# Altium PCB galileo_cleaned.PcbDoc (part 9 of 10)
Units mil, origin at the board's own origin, x right, y up, seen from the top; angles counter-clockwise.
Board outline 4205 x 2835.09 mil, 6 copper layers (TOP, PWR, LYR_1, LYR_2, GND, BOTTOM), stack 80.1 mil thick; 533 components, 432 nets, 2101 pads, 1155 vias.
Unrouted connection lines stored in the file: 669.
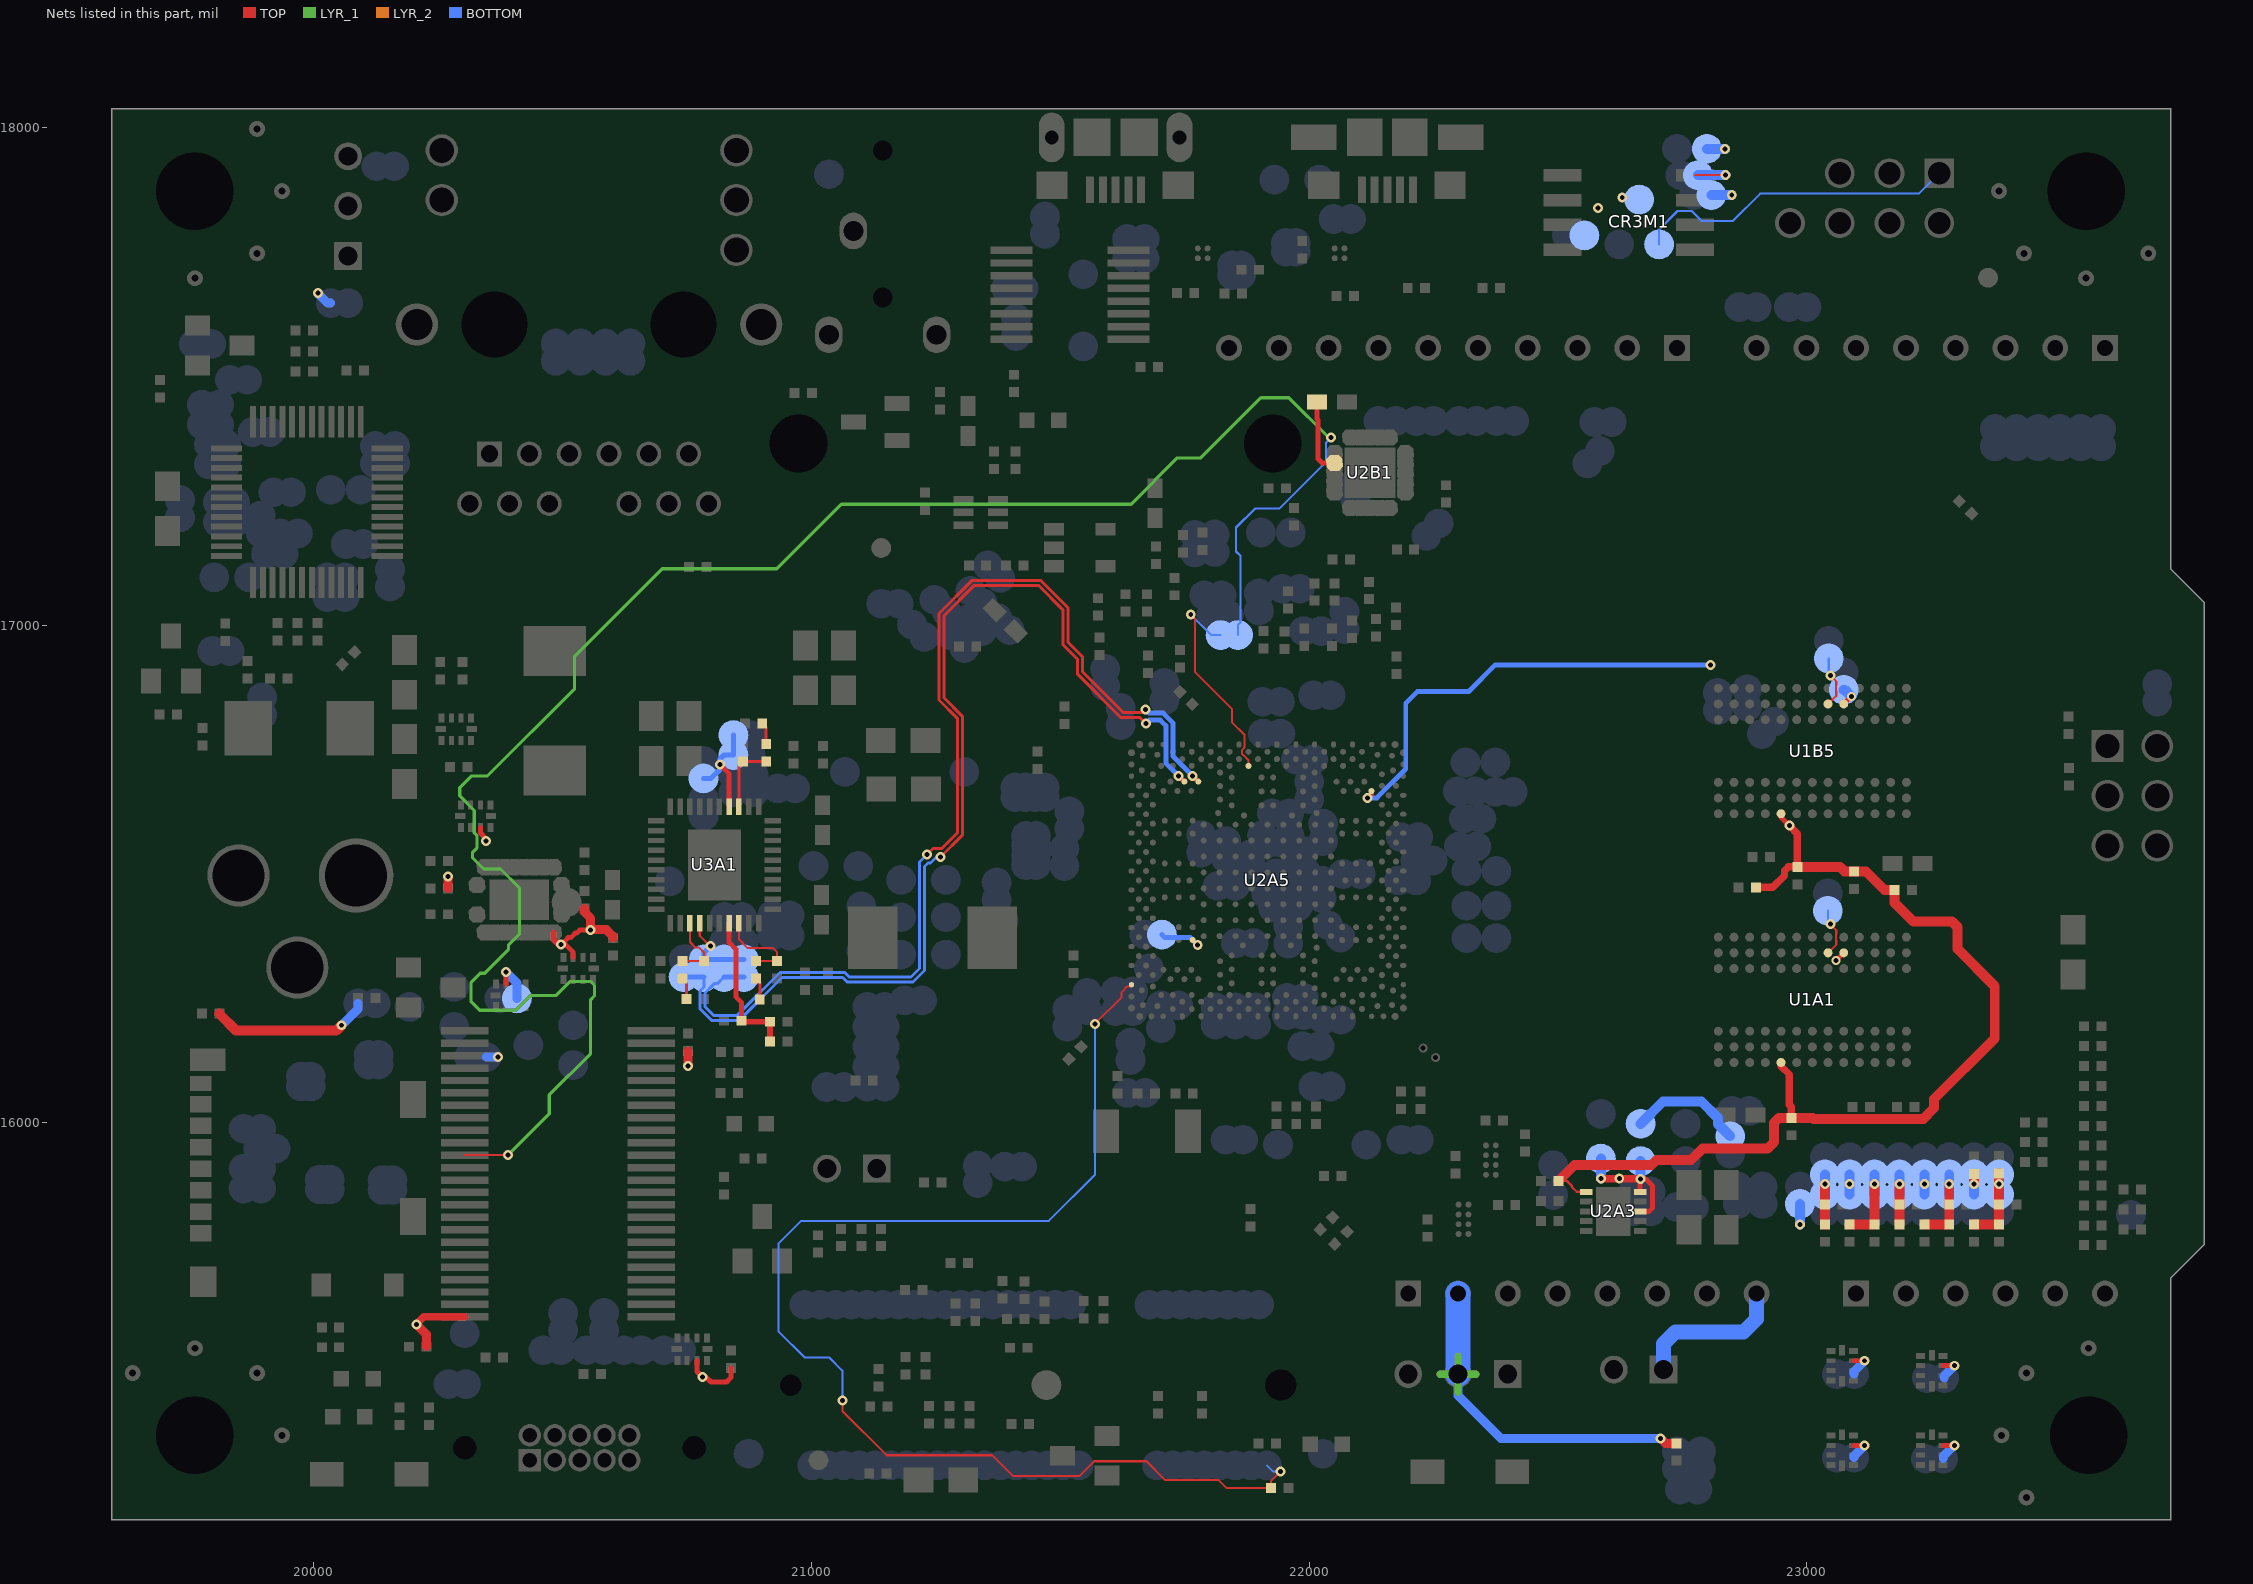
[diagram p13: the nets of this part, all layers, seen from the top]

## Via types
v1: diameter 20, hole 10, TOP to BOTTOM, 1096 vias
v2: diameter 18, hole 10, TOP to BOTTOM, 43 vias
v3: diameter 25, hole 25, TOP to BOTTOM, 16 vias

## Nets (pads, with @x,y where several pads share a name; then routed paths per layer and width w, separated by ;. In a path a pad name is that pad's centre, name@x,y a point inside that pad or via, vN(x,y) a via of type N, cw(c..) or ccw(c..) an arc to the next point about the centre after c; other vN are vias at no path point) (continued)
VCC_DEDIPROG: CR3M1.1 | length 656.4
  BOTTOM w4.2: CR3M1.1@22703,17765 22703,17795 22740,17832 22769,17832 22789,17812 22851,17812 22906,17867 23225,17867 23266,17908
VCC_FLASH: C4M5.1 C4M6.1 CR3M1.3 R3M15.1 R4M2.1 | length 193
  TOP w4.2: 22775,17904 v1(22836,17904)
  BOTTOM w20: C4M5.1@22781,17904 v1(22836,17904) ; C4M6.1@22799,17957 v1(22835,17957) ; R4M2.1@22808,17864 v1(22849,17864)
  other v1: 22580,17838 22629,17859
VCCRTCEXT: C3L13.1 U2A5.J11 | length 95.2
  TOP w4: U2A5.J11@21765.8,16367.35 v1(21776,16357)
  BOTTOM w10: C3L13.1@21704,16378 21710,16372 21761,16372 v1(21776,16357)
VIN:  | length 310.7
  BOTTOM w30: 22712,15504 22712,15556 22736,15580 22873,15580 22899,15606 22899,15657
VNNSENSE: C2L3.1 R2L14.1 U2A5.J30 | length 2192.6
  TOP w6: v1(21232,16539) 21244,16551 21261.86,16551 21293,16582.14 21293,16812.66 21256,16849.66 21256,17023.14 21322.86,17090 21331.14,17090 21451.86,17090 21460.14,17090 21515,17035.14 21515,16966 21544,16937 21544,16907 21627,16824 21665,16824 v1(21671,16830)
  TOP w10: v1(21765.8,16696.91) 21765.89,16696.91 U2A5.J30@21777.2,16685.6
  BOTTOM w6: R2L14.1@20824,16293 20810.5,16279.5 20804.64,16279.5 20786,16260.86 20786,16233.14 20803.14,16216 20850.66,16216 20936.66,16302 21066.8,16302 21075.8,16293 21199.9,16293 21217,16310.1 21217,16524 v1(21232,16539)
  BOTTOM w10: R2L14.1@20824,16293 C2L3.1@20864,16293 ; v1(21671,16830) 21678,16823 21706.8,16823 21726,16803.8 21726,16736.99 21758,16705 21758,16704.7 v1(21765.8,16696.91)
VR1_COMP1: C3A16.1 R3A22.1 U3A1.8 | length 180.8
  TOP w4.2: U3A1.8@20854.21,16401.12 20854.21,16368.79 20872,16351 20923,16351 20931,16343 C3A16.1@20931,16325 R3A22.1@20888,16325
VR1_COMP1_R: C3A12.1 R3A22.2 | length 45.3
  TOP w6: R3A22.2@20888,16290 20896,16282 C3A12.1@20896,16248
VR1_COMP2: C3B2.1 R3B1.1 U3A1.23 | length 141.3
  TOP w6: U3A1.23@20854.21,16634.88 20854.21,16718.21 C3B2.1@20862,16726 R3B1.1@20909,16726
VR1_COMP2_R: C3B8.1 R3B1.2 | length 44.3
  TOP w6: C3B8.1@20901,16802 20909,16794 R3B1.2@20909,16761
VR1_COMP3: C3A17.1 R3A23.1 U3A1.3 | length 135
  TOP w4.2: R3A23.1@20741,16325 C3A17.1@20784,16325 20784,16342.1 20774.1,16352 20767,16352 20755.79,16363.21 U3A1.3@20755.79,16401.12
VR1_COMP3_R: C3A13.1 R3A23.2 | length 44.3
  TOP w6: R3A23.2@20741,16290 20749,16282 C3A13.1@20749,16249
VR1_FB1: C3A11.2 R3A16.2 R3A18.1 U3A1.7 | length 305.1
  TOP w10: U3A1.7@20834.53,16401.12 20834.53,16362.47 20848,16349 20848,16253 20859,16242 R3A18.1@20859,16205
  TOP w12: R3A18.1@20859,16205 20861,16203 C3A11.2@20917,16203 R3A16.2@20917,16163
VR1_FB2: C2M6.2 R2M4.2 R2M6.1 U3A1.24 | length 224.6
  TOP w10: v1(20816,16720) 20834.53,16701.47 U3A1.24@20834.53,16634.88
  BOTTOM w10: R2M6.1@20783,16692 20798,16692 20816,16710 v1(20816,16720) 20816,16731 20824,16739 C2M6.2@20843,16739 R2M4.2@20843,16779
VR1_FB3: C2L3.2 C2L14.2 R2L14.2 R2L15.1 R2L19.2 R2L20.1 U3A1.4 | length 169.5
  TOP w4.2: U3A1.4@20775.47,16401.12 20775.47,16375.53 20797,16354 v1(20797,16355)
  BOTTOM w10: v1(20797,16355) 20783.85,16341.85 20783.85,16328.15 R2L20.1@20784,16328 R2L19.2@20824,16328 C2L14.2@20864,16328
VREF: C1A13.2 C1A20.2 C1A21.2 C1A22.2 C1A23.2 C2A3.1 C4M4.2 U1A1.E1 U1A1.J8 U1B5.E1 U1B5.J8 U2A3.6 U2A5.AM29 | length 3042.6
  TOP w4.2: C2A3.1@22501,15883 22518.1,15883 22528,15873.1 22528,15870.78 22537.4,15861.38 U2A3.6@22557,15861.38
  TOP w10: v1(22117,16653) 22124.96,16660.96 U2A5.AM29@22124.96,16666.58 ; U1B5.E1@22948.01,16621.02 22948.01,16613.99 v1(22965,16597) ; v2(23058.25,16325.74) U1A1.J8@23073.99,16341.49 ; U1B5.J8@23073.99,16841.49 v2(23089.25,16856.74)
  TOP w15: C1A22.2@22898,16473 22931.59,16473 22955,16496.41 22955,16506 22963,16514 C1A23.2@22981,16514 22981,16581 v1(22965,16597) ; U1A1.E1@22948.01,16121.02 22948.01,16113.99 22965,16097 22965,16036.5 22969,16032.5 C1A13.2@22969,16010
  TOP w20: C2A3.1@22501,15883 22533,15915 22688,15915 22698,15925 22767,15925 22790,15948 22921,15948 22934,15961 22934,16000 22944,16010 C1A13.2@22969,16010 23011,16010 23013,16008 23234,16008 23255.51,16029.5 23255.51,16047.5 23377.5,16169.5 23377.5,16274.5 23303,16349 23303,16393 23292,16404 23214,16404 23176,16442 C1A20.2@23176,16468 23156,16468 23119,16505 C1A21.2@23095,16505 23075.94,16505 23066.94,16514 C1A23.2@22981,16514
  BOTTOM w10: v1(22117,16653) 22136,16653 22194,16711 22194,16843 22218,16867 22321,16867 22374,16920 v1(22806,16920)
  BOTTOM w20: C4M4.2@23074,16870 23075.99,16870 v2(23089.25,16856.74)
VREF_INTERNAL: C2B4.1 U2B1.7 | length 151.4
  TOP w10: C2B4.1@22016,17448 22016,17414 22018,17412 22018,17333.68 22025.99,17325.69 U2B1.7@22050.98,17325.69
VSHLD_S5: R1A21.1 R3M22.1 | length 2245.8
  TOP w10: 20334.84,16593.5 20334.84,16582.16 20346,16571 v1(20346,16566) ; 20386.16,16278.5 v1(20386.16,16302.84) ; 20521.16,16332.5 20521.16,16342.84 20506,16358 v1(20497,16358) 20511,16372 20516.13,16372 20525.13,16381 20528,16381 20534,16387 v1(20556,16387) ; 20769.84,15522.5 20769.84,15500.16 v1(20781,15489) 20788,15489 20798,15479 20829,15479 20838,15488 20838,15507.5 ; 23093.5,15351.84 v1(23116.16,15351.84) ; 23093.5,15521.84 v1(23116.16,15521.84) ; 23273.5,15351.84 v1(23296.16,15351.84) ; 23273.5,15511.84 v1(23296.16,15511.84)
  TOP w12: 20481.9,16382.5 20481.9,16368.1 20492,16358 v1(20497,16358)
  TOP w15: v1(20206,15595) 20221,15610 20303,15610
  TOP w18: v1(20206,15595) 20226,15575 20226,15550 ; 20269.5,16471 v1(20269.5,16495) ; 20544,16431 20544,16423 20556,16411 v1(20556,16387) 20557,16388 20588,16388 20601,16375 20601,16371 ; v1(20752,16114) 20752,16144 ; v1(22706,15366) 22716,15356 R1A21.1@22738,15356
  TOP w20: 19810.5,16220 19810.5,16218.5 19844,16185 20045,16185 v1(20056,16196)
  LYR_1 w15: 22263,15495 22299,15495 ; 22299,15459 22299,15495 ; 22299,15531 22299,15495 ; 22335,15495 22299,15495
  LYR_2 w15: 22263,15495 22299,15495 ; 22299,15459 22299,15495 ; 22335,15495 22299,15495
  BOTTOM w18: v1(20008,17667) 20028,17647 20034,17647 ; v1(20056,16196) 20089,16229 20089,16240 ; 20347,16132 v1(20370,16132) ; v1(20386.16,16302.84) 20408,16281 R3M22.1@20408,16250 ; 22299,15495 22299,15452 22385,15366 v1(22706,15366) ; 23095,15327 23095,15330.69 v1(23116.16,15351.84) ; 23095,15495 23095,15500.69 v1(23116.16,15521.84) ; 23274,15325 23274,15329.69 v1(23296.16,15351.84) ; 23276,15487 23276,15491.69 v1(23296.16,15511.84)
  BOTTOM w50: 22299,15495 22299,15657
VSSSENSE: C2L2.1 R2L15.2 U2A5.H30 | length 2165.5
  TOP w6: v1(21259,16534) 21303,16578 21303,16816.8 21266,16853.8 21266,17019 21327,17080 21456,17080 21505,17031 21505,16961 21534,16932 21534,16902 21622,16814 21660,16814 v1(21672,16802)
  TOP w10: v1(21737.8,16696.91) 21737.89,16696.91 U2A5.H30@21749.2,16685.6
  BOTTOM w6: R2L15.2@20784,16293 20784,16273 20776,16265 20776,16229 20799,16206 20854.8,16206 20940.8,16292 21062.66,16292 21071.66,16283 21204.04,16283 21227,16305.96 21227,16515 21234,16522 21239.04,16522 21251.04,16534 v1(21259,16534)
  BOTTOM w10: C2L2.1@20743,16293 R2L15.2@20784,16293 ; v1(21672,16802) 21679,16809 21701,16809 21712,16798 21712,16722.71 v1(21737.8,16696.91)
VTT: C1A5.1 C1A6.1 C1A7.1 C1A8.1 C1A9.1 C1A10.1 C3L3.1 C3L4.1 C3L7.1 C4L2.1 R1A2.2 R1A3.2 R1A4.2 R1A5.2 R1A6.2 R1A18.2 R1A19.2 R1A20.2 R4L3.2 R4L4.2 R4L5.2 R4L6.2 R4L7.2 R4L8.2 R4L12.2 R4L13.2 R4L14.2 R4L15.2 R4L16.2 R4L17.2 R4L18.2 R4L20.2 R4L21.2 R4L22.2 R4L23.2 U2A3.3 U2A3.5 | length 1475.9
  TOP w10: U2A3.3@22665,15822 22683,15822 22690.08,15829.08 22690.08,15872.92 22676,15887 v1(22666,15887) 22665,15886 U2A3.5@22665,15861.38
  TOP w15: v1(22586,15888) v1(22623,15888) 22665,15888 v1(22666,15887)
  TOP w20: R1A6.2@23036,15796 C1A8.1@23036,15836 v1(23036,15877) ; R1A19.2@23086,15796 R1A20.2@23136,15796 v1(23136,15877) ; R1A5.2@23186,15796 C1A7.1@23186,15836 v1(23186,15877) ; R1A4.2@23236,15796 R1A3.2@23286,15796 C1A6.1@23286,15836 v1(23286,15877) ; R1A18.2@23336,15796 R1A2.2@23386,15796 C1A5.1@23386,15836 v1(23386,15877) C1A10.1@23386,15898 ; v1(23336,15877) C1A9.1@23336,15897
  BOTTOM w20: v1(22586,15888) C3L4.1@22586,15928 ; v1(22666,15887) C3L3.1@22666,15923 ; C3L7.1@22666,15998 22711,16043 22788,16043 22821,16010 22821,15998 C4L2.1@22846,15973 ; v1(22986,15796) R4L12.2@22986,15837 ; R4L3.2@23036,15856 v1(23036,15877) R4L13.2@23036,15896 ; R4L4.2@23086,15856 v1(23086,15877) R4L14.2@23086,15896 ; R4L23.2@23136,15856 v1(23136,15877) R4L15.2@23136,15896 ; R4L22.2@23186,15856 v1(23186,15877) R4L21.2@23186,15896 ; R4L5.2@23236,15856 v1(23236,15877) R4L16.2@23236,15896 ; R4L6.2@23286,15856 v1(23286,15877) R4L20.2@23286,15896 ; R4L7.2@23336,15856 v1(23336,15877) R4L17.2@23336,15896 ; R4L8.2@23386,15856 v1(23386,15877) R4L18.2@23386,15896
WAKE_N: R2A1.2 U2A5.A5 | length 2550.1
  TOP w4: v1(21569.34,16198.66) 21622.93,16252.25 21622.93,16262.1 21634.78,16273.96 21639.43,16273.96 U2A5.A5@21642.93,16277.46
  TOP w4.2: v1(21062,15442) 21062,15421 21151,15332 21363,15332 21405,15290 21538,15290 21568,15320 21673,15320 21711,15282 21818,15282 21834,15266 R2A1.2@21923,15266 21923,15280 v1(21942,15299)
  BOTTOM w4.2: v1(21062,15442) 21062,15502 21036,15528 20987,15528 20933.5,15581.5 20933.5,15757 20979.5,15803 21477,15803 21570,15896 21570,16153 21569.34,16153.66 v1(21569.34,16198.66) ; 21914.99,15311.58 21927.57,15299 v1(21942,15299)
XRES: R3M5.1 | length 3992.6
  TOP w4.2: 20303,15935 v1(20390,15935)
  LYR_1 w6.5: v1(20390,15935) 20473,16018 20473,16056 20556,16139 20556,16247 20564,16255 20564,16276 20556,16284 20515,16284 20487,16256 20436,16256 20406,16226 20333,16226 20316,16243 20316,16282 20334.5,16300.5 20343.5,16300.5 20391,16348 20391,16357 20413,16379 20413,16472 20375,16510 20341,16510 20319,16532 20319,16544 20328,16553 20328,16577 20322.5,16582.5 20322.5,16627.5 20293,16657 20293,16673 20317,16697 20349,16697 20524,16872 20524,16937 20700,17113 20930,17113 21060,17243 21642,17243 21735,17336 21782,17336 21903,17457 21959,17457 22039,17377 v1(22044,17377)
  BOTTOM w4.2: R3M5.1@21857,16980 21857,17001 21862,17006 21862,17139 21853,17148 21853,17196 21891,17234 21940,17234 22034,17328 22034,17367 v1(22044,17377)
XRES_R: R3M5.2 U2A5.T32 | length 432.8
  TOP w4: 21844.6,16811.7 21844.6,16804.66 21869.99,16779.27 21869.99,16754.83 21869.93,16754.75 21867.13,16750.95 21864.73,16748.31 21864.73,16742.01 21867.88,16738.86 21869.09,16737.3 21877.99,16728.4 U2A5.T32@21877.99,16717.18
  TOP w4.2: v1(21762,17021) 21770.2,17012.8 21770.2,16906.2 21844.6,16831.8 21844.6,16811.7
  BOTTOM w4.2: v1(21762,17021) 21803,16980 R3M5.2@21822,16980
ZQ_1: R4M1.2 U1B5.H8 | length 104.6
  TOP w4.2: U1B5.H8@23042.5,16841.49 23059,16857.99 23059,16866.61 23058.89,16866.72 23058.89,16879.24 23059,16879.35 23059,16887 v1(23047,16899)
  BOTTOM w4.2: R4M1.2@23044,16933 23044,16902 v1(23047,16899)
ZQ_2: R4L19.2 U1A1.H8 | length 98.5
  TOP w4.2: U1A1.H8@23042.5,16341.49 23059,16357.99 23059,16366.61 23058.89,16366.72 23058.89,16379.24 23059,16379.35 23059,16387 v1(23047,16399)
  BOTTOM w4.2: R4L19.2@23042,16426 23042,16404 v1(23047,16399)
pads on no net: "Designator1. " Designator1.1 Designator1.2 Designator1.3 Designator1.4 Designator1.5 Designator1.6 Designator1.7 Designator1.8 Designator1.9 Designator1.10 Designator1.11 Designator1.12 Designator1.13 Designator1.14 Designator1.15 Designator1.16 Designator1.17 Designator1.18 Designator1.19 Designator1.20 Designator1.21 Designator1.22 Designator1.23 Designator1.24 Designator1.25 Designator1.26 Designator1.27 Designator1.28 Designator1.29 Designator1.30 Designator1.31 Designator1.32 Designator1.33 Designator1.34 Designator1.35 Designator1.36 Designator1.37 Designator1.38 Designator1.39 Designator1.40 Designator1.41 Designator1.42 Designator1.43 Designator1.44 Designator1.45 Designator1.46 Designator1.47 Designator1.48 Designator1.49 Designator1.50 Designator1.51 Designator1.52 Designator1.G1 Designator1.G2 Designator1.G3 Designator1.G4 Designator1.MH1 Designator1.MH2 Designator1.MP1 Designator1.MP2 Designator1.MT1 Designator1.MT2 Designator1.MT3 Designator1.MT4 Designator1.MT5 Designator1.MT6 LB3.1 LB6V1.1 MH1.1 MH2.1 MH3.1 MH4.1 R2B29.1 R3M13.1 U1A1.A3 U1A1.A7 U1A1.F1 U1A1.F9 U1A1.H1 U1A1.H9 U1B5.A3 U1B5.A7 U1B5.F1 U1B5.F9 U1B5.H1 U1B5.H9 U1L4.B1 U2A5.A26 U2A5.AA4 U2A5.AA32 U2A5.AB22 U2A5.AC4 U2A5.AC5 U2A5.AC7 U2A5.AC27 U2A5.AD22 U2A5.AD28 U2A5.AD29 U2A5.AE2 U2A5.AE4 U2A5.AE34 U2A5.AF14 U2A5.AF16 U2A5.AF18 U2A5.AG30 U2A5.AH2 U2A5.AH4 U2A5.AH29 U2A5.AJ33 U2A5.AK2 U2A5.AK4 U2A5.AP12 U2A5.AP31 U2A5.AT32 U2A5.B4 U2A5.B9 U2A5.B11 U2A5.B13 U2A5.B27 U2A5.C10 U2A5.C12 U2A5.C14 U2A5.C28 U2A5.D11 U2A5.D13 U2A5.D27 U2A5.E23 U2A5.E25 U2A5.E29 U2A5.G17 U2A5.G19 U2A5.G23 U2A5.G25 U2A5.G29 U2A5.G33 U2A5.J23 U2A5.J29 U2A5.M20 U2A5.M24 U2A5.M26 U2A5.M33 U2A5.M35 U2A5.V24 U2A5.W5 U2A5.W29 U2A5.W30 U2A5.Y24 U2B1.12 U3B2.8 U3B2.14 U4B1.1 U4B1.5 U4B1.7 U4B1.8 U4B1.9 U4B1.10 U4B1.11 U4B1.12 U4B1.25 U4B1.33 U4B1.38 U4B1.41 U4B1.42 U4B1.45 U4B1.46
copper on no net: | length 1485.1
  TOP w6: 20726,17925 20777,17925 20777,17976 20777,17995 20726,17995 20726,17925
  TOP w7.2: 22054.8,16685.38 22055.03,16685.38 v1(22066.2,16696.55) ; v1(22066.2,16650.65) 22068.96,16653.41 22068.96,16666.58
  PWR w6: 20663,17925 20714,17925 20714,17976 20714,17995 20663,17995 20663,17925
  LYR_1 w6: 20598,17925 20649,17925 20649,17976 20649,17995 20598,17995 20598,17925
  LYR_2 w6: 20536,17925 20587,17925 20587,17976 20587,17995 20536,17995 20536,17925
  GND w6: 20474,17925 20525,17925 20525,17976 20525,17995 20474,17995 20474,17925
  BOTTOM w6: 20412,17925 20463,17925 20463,17976 20463,17995 20412,17995 20412,17925
  other v3: 19999.47,18022.52 20044.47,18022.52 20089.47,18022.52 20134.47,18022.52 21304.47,18022.52 21349.47,18022.52 21394.47,18022.52 21439.47,18022.52 22399.47,18022.52 22444.47,18022.52 22489.47,18022.52 22534.47,18022.52 23249.47,18022.52 23294.47,18022.52 23339.47,18022.52 23384.47,18022.52

## Polygon pours and split planes (outlines as drawn)
no net on Bottom Overlay (solid): 22740.62,17511.56 22720.62,17461.56 22760.62,17461.56 22740.62,17511.56
no net on Bottom Overlay (solid): 21914,17729.85 ccw(c21924,17729.85) 21924,17719.85 ccw(c21924,17729.85) 21934,17729.85 ccw(c21924,17729.85) 21924,17739.85 ccw(c21924,17729.85) 21914,17729.85
no net on Bottom Overlay (solid): 21909,17729.85 ccw(c21924,17729.85) 21924,17714.85 ccw(c21924,17729.85) 21939,17729.85 ccw(c21924,17729.85) 21924,17744.85 ccw(c21924,17729.85) 21909,17729.85
no net on Bottom Overlay (solid): 21919,17729.85 ccw(c21924,17729.85) 21924,17724.85 ccw(c21924,17729.85) 21929,17729.85 ccw(c21924,17729.85) 21924,17734.85 ccw(c21924,17729.85) 21919,17729.85
no net on Bottom Overlay (solid): 21874,17672.85 ccw(c21884,17672.85) 21884,17662.85 ccw(c21884,17672.85) 21894,17672.85 ccw(c21884,17672.85) 21884,17682.85 ccw(c21884,17672.85) 21874,17672.85
no net on Bottom Overlay (solid): 21869,17672.85 ccw(c21884,17672.85) 21884,17657.85 ccw(c21884,17672.85) 21899,17672.85 ccw(c21884,17672.85) 21884,17687.85 ccw(c21884,17672.85) 21869,17672.85
no net on Bottom Overlay (solid): 21879,17672.85 ccw(c21884,17672.85) 21884,17667.85 ccw(c21884,17672.85) 21889,17672.85 ccw(c21884,17672.85) 21884,17677.85 ccw(c21884,17672.85) 21879,17672.85
no net on Bottom Overlay (solid): 21378,16708.85 ccw(c21383,16708.85) 21383,16703.85 ccw(c21383,16708.85) 21388,16708.85 ccw(c21383,16708.85) 21383,16713.85 ccw(c21383,16708.85) 21378,16708.85
no net on Bottom Overlay (solid): 21373,16708.85 ccw(c21383,16708.85) 21383,16698.85 ccw(c21383,16708.85) 21393,16708.85 ccw(c21383,16708.85) 21383,16718.85 ccw(c21383,16708.85) 21373,16708.85
no net on Bottom Overlay (solid): 21368,16708.85 ccw(c21383,16708.85) 21383,16693.85 ccw(c21383,16708.85) 21398,16708.85 ccw(c21383,16708.85) 21383,16723.85 ccw(c21383,16708.85) 21368,16708.85
no net on Bottom Overlay (solid): 21483,16601.85 ccw(c21488,16601.85) 21488,16596.85 ccw(c21488,16601.85) 21493,16601.85 ccw(c21488,16601.85) 21488,16606.85 ccw(c21488,16601.85) 21483,16601.85
no net on Bottom Overlay (solid): 21478,16601.85 ccw(c21488,16601.85) 21488,16591.85 ccw(c21488,16601.85) 21498,16601.85 ccw(c21488,16601.85) 21488,16611.85 ccw(c21488,16601.85) 21478,16601.85
no net on Bottom Overlay (solid): 21473,16601.85 ccw(c21488,16601.85) 21488,16586.85 ccw(c21488,16601.85) 21503,16601.85 ccw(c21488,16601.85) 21488,16616.85 ccw(c21488,16601.85) 21473,16601.85
no net on Bottom Overlay (solid): 20161,16174.85 ccw(c20166,16174.85) 20166,16169.85 ccw(c20166,16174.85) 20171,16174.85 ccw(c20166,16174.85) 20166,16179.85 ccw(c20166,16174.85) 20161,16174.85
no net on Bottom Overlay (solid): 20156,16174.85 ccw(c20166,16174.85) 20166,16164.85 ccw(c20166,16174.85) 20176,16174.85 ccw(c20166,16174.85) 20166,16184.85 ccw(c20166,16174.85) 20156,16174.85
no net on Bottom Overlay (solid): 20151,16174.85 ccw(c20166,16174.85) 20166,16159.85 ccw(c20166,16174.85) 20181,16174.85 ccw(c20166,16174.85) 20166,16189.85 ccw(c20166,16174.85) 20151,16174.85
no net on Bottom Overlay (solid): 19934,16032.85 ccw(c19939,16032.85) 19939,16027.85 ccw(c19939,16032.85) 19944,16032.85 ccw(c19939,16032.85) 19939,16037.85 ccw(c19939,16032.85) 19934,16032.85
no net on Bottom Overlay (solid): 19929,16032.85 ccw(c19939,16032.85) 19939,16022.85 ccw(c19939,16032.85) 19949,16032.85 ccw(c19939,16032.85) 19939,16042.85 ccw(c19939,16032.85) 19929,16032.85
no net on Bottom Overlay (solid): 19924,16032.85 ccw(c19939,16032.85) 19939,16017.85 ccw(c19939,16032.85) 19954,16032.85 ccw(c19939,16032.85) 19939,16047.85 ccw(c19939,16032.85) 19924,16032.85
no net on Bottom Overlay (solid): 20063,15923.85 ccw(c20068,15923.85) 20068,15918.85 ccw(c20068,15923.85) 20073,15923.85 ccw(c20068,15923.85) 20068,15928.85 ccw(c20068,15923.85) 20063,15923.85
no net on Bottom Overlay (solid): 20058,15923.85 ccw(c20068,15923.85) 20068,15913.85 ccw(c20068,15923.85) 20078,15923.85 ccw(c20068,15923.85) 20068,15933.85 ccw(c20068,15923.85) 20058,15923.85
no net on Bottom Overlay (solid): 20053,15923.85 ccw(c20068,15923.85) 20068,15908.85 ccw(c20068,15923.85) 20083,15923.85 ccw(c20068,15923.85) 20068,15938.85 ccw(c20068,15923.85) 20053,15923.85
no net on Bottom Overlay (solid): 20099,15825.85 ccw(c20104,15825.85) 20104,15820.85 ccw(c20104,15825.85) 20109,15825.85 ccw(c20104,15825.85) 20104,15830.85 ccw(c20104,15825.85) 20099,15825.85
no net on Bottom Overlay (solid): 20094,15825.85 ccw(c20104,15825.85) 20104,15815.85 ccw(c20104,15825.85) 20114,15825.85 ccw(c20104,15825.85) 20104,15835.85 ccw(c20104,15825.85) 20094,15825.85
no net on Bottom Overlay (solid): 20089,15825.85 ccw(c20104,15825.85) 20104,15810.85 ccw(c20104,15825.85) 20119,15825.85 ccw(c20104,15825.85) 20104,15840.85 ccw(c20104,15825.85) 20089,15825.85
no net on Bottom Overlay (solid): 22198.62,15625.56 22178.62,15575.56 22218.62,15575.56 22198.62,15625.56
no net on Bottom Overlay (solid): 21138.62,15862.56 21118.62,15812.56 21158.62,15812.56 21138.62,15862.56
no net on Bottom Overlay (solid): 20438.62,15286.56 20418.62,15236.56 20458.62,15236.56 20438.62,15286.56
no net on Bottom Overlay (solid): 22399.62,15447.56 22379.62,15397.56 22419.62,15397.56 22399.62,15447.56
no net on Bottom Overlay (solid): 22710.62,15463.56 22690.62,15413.56 22730.62,15413.56 22710.62,15463.56
no net on Bottom Overlay (solid): 23103.62,15612.56 23083.62,15562.56 23123.62,15562.56 23103.62,15612.56
no net on Bottom Overlay (solid): 23598.62,17489.56 23578.62,17439.56 23618.62,17439.56 23598.62,17489.56
no net on Bottom Overlay (solid): 20117.44,17744.62 20167.44,17724.62 20167.44,17764.62 20117.44,17744.62